# KiCad board Zynq_SoM.kicad_pcb (continued)
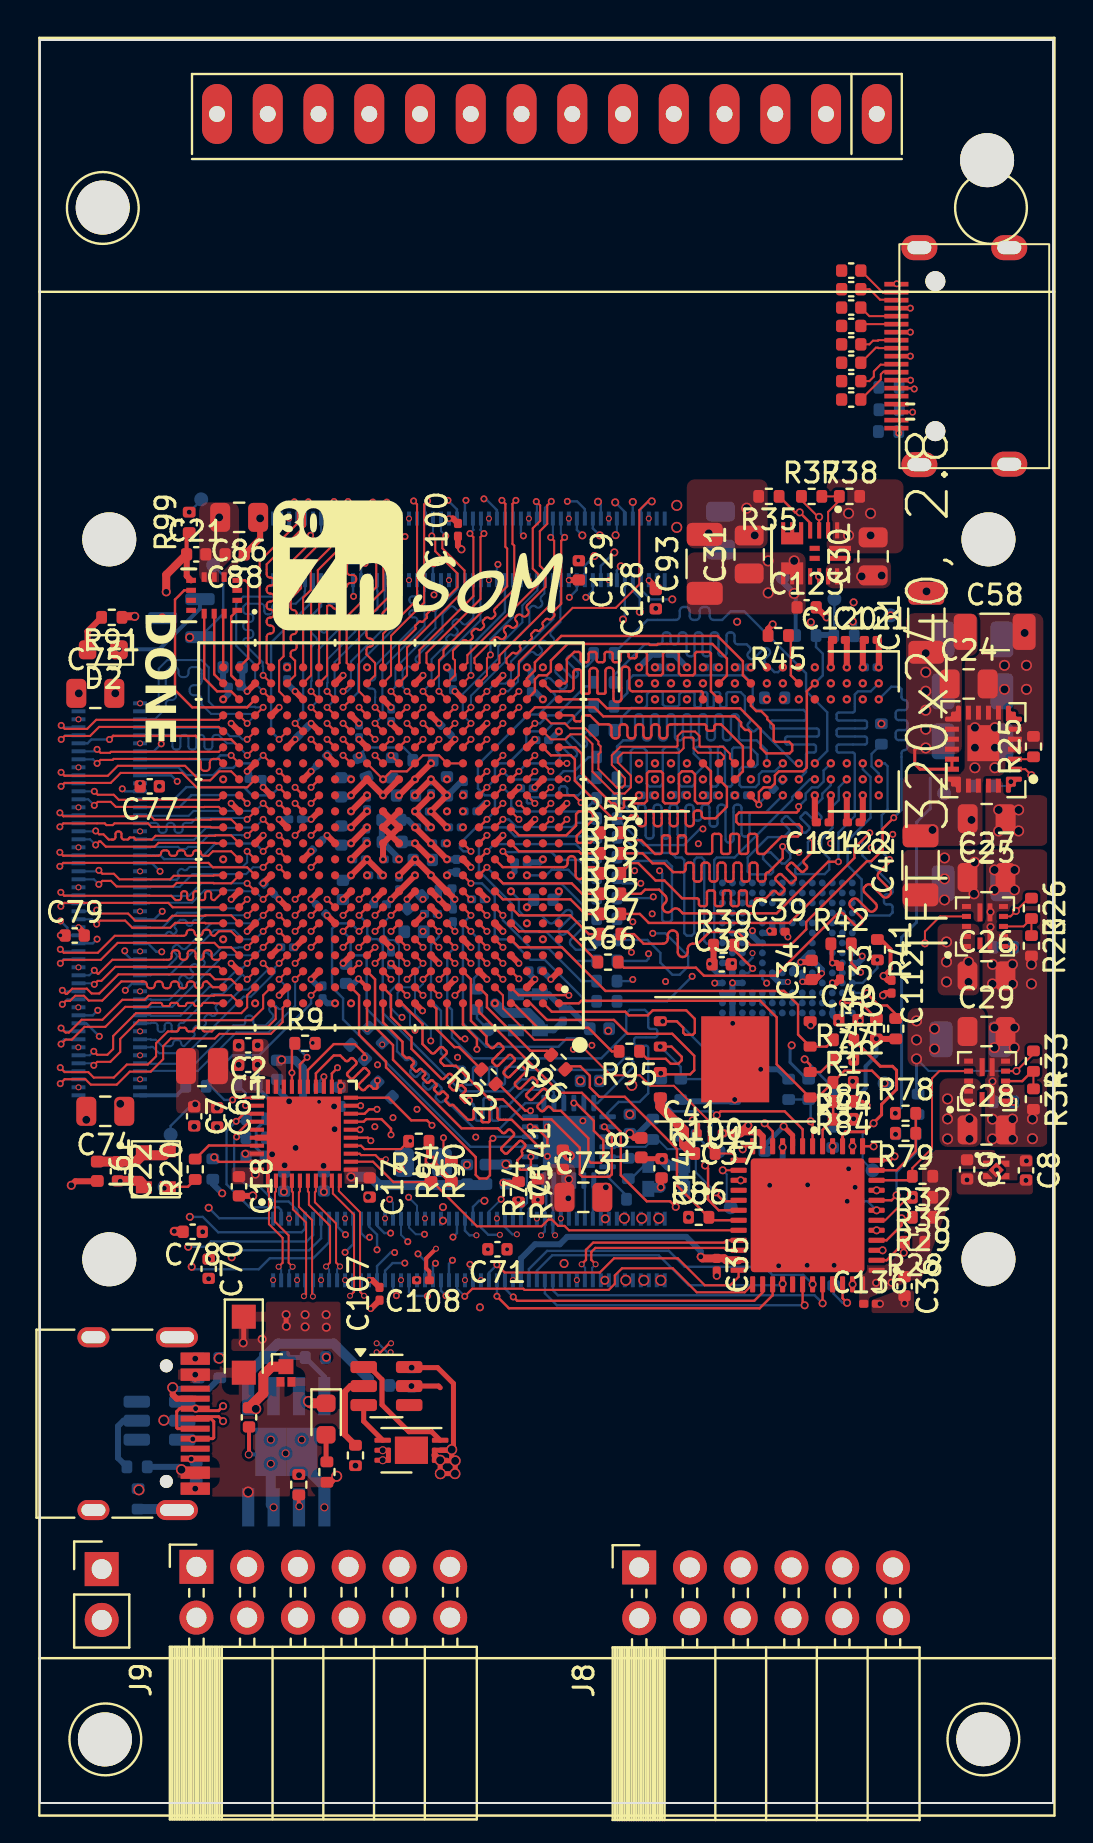
[diagram p0: board, top side]
## Routing (per net, layer and track width the routed paths; a pad name or vN(x,y) marks a point on that pad's centre or on a via; arc(x,y) is an arc through that point) (continued)
  L8 (Sig) w0.12: R48.1 41.62,52.46 41.62,51.84 41.98,51.48 v1(41.98,51.19)
/Zynq_B502_DDR/DDR_~{WE}: length 8.4
  L1 (Sig) w0.12: U2.R4 v1(23.97,51.59)
  L8 (Sig) w0.12: v1(23.97,51.59) 24.37,51.99 25.77,51.99 25.99,52.21 arc(26.04,52.33) 25.99,52.45 25.88,52.56 arc(25.83,52.68) 25.88,52.81 arc(26,52.86) 26.13,52.81 26.59,52.35 arc(26.71,52.3) 26.84,52.35 arc(26.89,52.47) 26.84,52.6 26.38,53.06 arc(26.32,53.18) 26.38,53.3 arc(26.5,53.35) 26.62,53.3 27.08,52.84 arc(27.21,52.79) 27.33,52.84 arc(27.38,52.97) 27.33,53.09 27.22,53.2 arc(27.17,53.32) 27.22,53.44 27.42,53.64 R71.1
/Zynq_B502_DDR/DDR_~{WE}_T: length 18.4
  L8 (Sig) w0.12: v1(37.98,51.99) 37.77,51.99 36.05,53.7 arc(35.97,53.74) 35.88,53.7 35.8,53.62 arc(35.71,53.59) 35.62,53.62 35.44,53.8 arc(35.41,53.89) 35.44,53.98 35.52,54.06 arc(35.56,54.15) 35.52,54.23 35.28,54.48 35.28,55.34 35.07,55.55 34.44,55.55 arc(34.38,55.53) 34.36,55.47 34.36,54.88 arc(34.34,54.82) 34.28,54.8 34.12,54.8 arc(34.06,54.82) 34.04,54.88 34.04,55.47 arc(34.02,55.53) 33.96,55.55 33.8,55.55 arc(33.74,55.53) 33.72,55.47 33.72,54.88 arc(33.7,54.82) 33.64,54.8 33.48,54.8 arc(33.42,54.82) 33.4,54.88 33.4,55.47 arc(33.38,55.53) 33.32,55.55 33.16,55.55 arc(33.1,55.53) 33.08,55.47 33.08,54.88 arc(33.06,54.82) 33,54.8 32.84,54.8 arc(32.78,54.82) 32.76,54.88 32.76,55.47 arc(32.74,55.53) 32.68,55.55 32.1,55.55 31.99,55.44 31.99,54.91 31.91,54.83 31.28,54.83 31.17,54.94 31.17,55.53 31.11,55.59 30.52,55.59 30.38,55.45 30.38,54.87 30.26,54.76 29.6,54.76 29.1,54.26 29.1,54.01 R71.2
eMMC_CLK: length 37.9
  L1 (Sig) w0.12: v1(18.37,41.99) U2.D11
  L4 (Sig+Pwr) w0.135: v2(35.66,42.5) 35.66,42.37 34.83,41.54 33.4,41.54 33.33,41.47 33.33,39.94 33.1,39.71 32,39.71 31.71,40 31.71,40.14 arc(31.76,40.27) 31.89,40.32 32.54,40.32 arc(32.67,40.37) 32.72,40.5 32.72,40.59 arc(32.67,40.72) 32.54,40.77 31.89,40.77 arc(31.76,40.82) 31.71,40.95 31.71,41.04 arc(31.76,41.17) 31.89,41.22 31.99,41.22 arc(32.12,41.27) 32.17,41.4 32.17,41.49 arc(32.12,41.62) 31.99,41.67 31.89,41.67 arc(31.76,41.72) 31.71,41.85 31.71,42.08 31.64,42.15 30.98,42.15 30.88,42.05 29.66,42.05 29.58,41.97 29.58,41.71 29.7,41.59 30.74,41.59 30.89,41.44 30.89,41.1 arc(30.85,41.01) 30.76,40.97 30.31,40.97 arc(30.22,40.94) 30.18,40.85 30.18,40.6 arc(30.22,40.51) 30.31,40.47 30.76,40.47 arc(30.85,40.44) 30.89,40.35 30.89,40.1 30.78,39.99 29.62,39.99 29.17,40.44 arc(29.04,40.49) 28.91,40.44 28.67,40.2 arc(28.55,40.15) 28.42,40.2 28.35,40.27 arc(28.3,40.39) 28.35,40.52 29.09,41.25 arc(29.14,41.38) 29.09,41.51 29.02,41.57 arc(28.9,41.62) 28.77,41.57 28.04,40.84 arc(27.91,40.79) 27.78,40.84 27.72,40.9 arc(27.67,41.03) 27.72,41.16 28.45,41.89 arc(28.5,42.02) 28.45,42.14 28.39,42.21 arc(28.26,42.26) 28.13,42.21 27.89,41.97 arc(27.77,41.92) 27.64,41.97 27.43,42.18 24.45,42.18 23.44,43.19 19.82,43.19 19.57,42.94 19.57,42.59 19.36,42.38 18.76,42.38 v1(18.37,41.99)
  L8 (Sig) w0.12: v2(35.66,42.5) 35.66,42.27 35.4,42.01 U7.M6
eMMC_CMD: length 39.5
  L1 (Sig) w0.12: v1(35.67,41.73) 34.73,42.67 R39.2 ; U2.B10 v1(19.17,40.39)
  L4 (Sig+Pwr) w0.135: v1(19.17,40.39) 19.57,40.79 19.57,41.39 19.77,41.59 20.13,41.59 20.37,41.83 20.37,42.14 20.59,42.37 23.34,42.37 23.57,42.14 23.57,41.84 23.81,41.6 26.11,41.6 30.24,37.46 30.24,36.41 30.62,36.04 32.27,36.04 33.42,37.19 35.09,37.19 35.27,37.36 35.27,38.14 35.07,38.34 34.24,38.34 33.84,37.94 33.84,37.92 31.87,37.92 31.51,38.28 30.43,38.28 30.09,38.61 30.09,39.19 30.47,39.57 31.36,39.57 32.11,38.81 33.39,38.81 33.95,39.37 33.95,40 34.39,40.44 35.54,40.44 35.67,40.57 v1(35.67,41.73)
  L8 (Sig) w0.12: v1(35.67,41.73) 35.45,41.51 U7.M5
eMMC_D0: length 37.1
  L1 (Sig) w0.12: U2.D12 v1(16.77,41.99) ; R40.2 42.83,39.45 42.4,39.88 41.99,39.88 v4(41.38,40.49)
  L4 (Sig+Pwr) w0.135: v4(41.38,40.49) 41.38,40.5 40.16,41.72 40.16,42.67 39.75,43.08 arc(39.69,43.22) 39.75,43.36 39.87,43.48 arc(39.93,43.62) 39.87,43.77 39.8,43.84 arc(39.65,43.89) 39.51,43.84 39.39,43.72 arc(39.25,43.66) 39.11,43.72 39.04,43.79 arc(38.98,43.93) 39.04,44.07 39.16,44.19 arc(39.22,44.33) 39.16,44.47 39.09,44.54 arc(38.95,44.6) 38.81,44.54 38.69,44.42 arc(38.55,44.37) 38.4,44.42 38.23,44.6 31.55,44.6 30.86,43.91 30.3,43.91 29.94,43.55 29.4,43.55 28.56,44.39 27.62,44.39 arc(27.48,44.33) 27.42,44.19 27.42,43.99 arc(27.36,43.85) 27.22,43.79 27.12,43.79 arc(26.98,43.85) 26.92,43.99 26.92,44.19 arc(26.86,44.33) 26.72,44.39 26.62,44.39 arc(26.48,44.33) 26.42,44.19 26.42,43.99 arc(26.36,43.85) 26.22,43.79 26.12,43.79 arc(25.98,43.85) 25.92,43.99 25.92,44.19 arc(25.86,44.33) 25.72,44.39 25.62,44.39 arc(25.48,44.33) 25.42,44.19 25.42,43.99 arc(25.36,43.85) 25.22,43.79 25.12,43.79 arc(24.98,43.85) 24.92,43.99 24.92,44.19 arc(24.86,44.33) 24.72,44.39 24.03,44.39 23.63,44.79 19.04,44.79 18.73,44.48 18.73,44.18 17.73,43.18 17.38,43.18 17.17,42.97 U2.D12 v1(16.77,41.99)
  L8 (Sig) w0.12: v4(41.38,40.49) 41.36,40.51 U7.A3
eMMC_D1: length 34.9
  L1 (Sig) w0.12: v1(15.97,41.99) U2.C14
  L4 (Sig+Pwr) w0.135: v1(15.97,41.99) 16.37,42.39 16.37,44.59 16.56,44.79 17.77,44.79 17.96,44.98 17.96,45.35 18.57,45.97 20.75,45.97 21.15,46.37 21.91,46.37 22.31,45.96 29.33,45.96 29.72,45.58 30.31,45.58 30.93,46.2 39.28,46.2 41.77,43.71 41.77,42.3 v1(41.91,42.16)
  L8 (Sig) w0.12: v1(41.91,42.16) 41.91,41.75 41.17,41.01 U7.A4
eMMC_D2: length 37.9
  L1 (Sig) w0.12: R42.2 40.6,42 v1(41.07,41.54) ; v1(16.77,42.79) U2.D13
  L4 (Sig+Pwr) w0.135: v1(16.77,42.79) 16.77,43.04 17.18,43.45 17.18,43.85 17.3,43.97 17.72,43.97 18.76,45 18.76,45.37 18.98,45.59 22.92,45.59 23.35,45.16 29.14,45.16 29.42,44.89 31.14,44.89 31.74,45.49 31.8,45.49 arc(31.89,45.53) 31.92,45.61 31.92,45.65 arc(31.96,45.74) 32.05,45.78 32.3,45.78 arc(32.39,45.74) 32.42,45.65 32.42,45.32 arc(32.46,45.24) 32.55,45.2 32.8,45.2 arc(32.89,45.24) 32.92,45.32 32.92,45.65 arc(32.96,45.74) 33.05,45.78 33.3,45.78 arc(33.39,45.74) 33.42,45.65 33.42,45.32 arc(33.46,45.24) 33.55,45.2 33.8,45.2 arc(33.89,45.24) 33.92,45.32 33.92,45.65 arc(33.96,45.74) 34.05,45.78 34.3,45.78 arc(34.39,45.74) 34.42,45.65 34.42,45.32 arc(34.46,45.24) 34.55,45.2 34.8,45.2 arc(34.89,45.24) 34.92,45.32 34.92,45.65 arc(34.96,45.74) 35.05,45.78 35.3,45.78 arc(35.39,45.74) 35.42,45.65 35.42,45.32 arc(35.46,45.24) 35.55,45.2 35.8,45.2 arc(35.89,45.24) 35.92,45.32 35.92,45.65 arc(35.96,45.74) 36.05,45.78 36.3,45.78 arc(36.39,45.74) 36.42,45.65 36.42,45.32 arc(36.46,45.24) 36.55,45.2 36.8,45.2 arc(36.89,45.24) 36.92,45.32 36.92,45.65 arc(36.96,45.74) 37.05,45.78 37.3,45.78 arc(37.39,45.74) 37.42,45.65 37.42,45.32 arc(37.46,45.24) 37.55,45.2 37.8,45.2 arc(37.89,45.24) 37.92,45.32 37.92,45.65 arc(37.96,45.74) 38.05,45.78 38.3,45.78 arc(38.39,45.74) 38.42,45.65 38.42,45.61 arc(38.46,45.53) 38.55,45.49 38.97,45.49 40.72,43.74 40.72,42.06 41.07,41.71 v1(41.07,41.54)
  L8 (Sig) w0.12: U7.A5 41.04,41.51 v1(41.07,41.54)
eMMC_D3: length 41.5
  L1 (Sig) w0.12: R43.2 41.08,40.01 v1(40.15,40.01) ; U2.C10 v1(18.37,41.19)
  L4 (Sig+Pwr) w0.135: v1(18.37,41.19) 17.97,41.59 17.97,42.92 18.23,43.18 19.33,43.18 19.57,43.41 19.57,43.81 19.74,43.99 23.6,43.99 24.8,42.79 26.65,42.79 arc(26.79,42.85) 26.85,42.99 26.85,43.06 arc(26.91,43.2) 27.05,43.26 27.15,43.26 arc(27.29,43.2) 27.35,43.06 27.35,42.99 arc(27.41,42.85) 27.55,42.79 27.65,42.79 arc(27.79,42.85) 27.85,42.99 27.85,43.41 arc(27.91,43.55) 28.05,43.61 28.15,43.61 arc(28.29,43.55) 28.35,43.41 28.35,42.99 arc(28.41,42.85) 28.55,42.79 28.67,42.79 28.82,42.94 31.02,42.94 32.17,44.09 32.3,44.09 arc(32.45,44.03) 32.51,43.88 32.51,42.7 arc(32.57,42.55) 32.72,42.49 32.82,42.49 arc(32.97,42.55) 33.03,42.7 33.03,43.88 arc(33.09,44.03) 33.24,44.09 33.34,44.09 arc(33.49,44.03) 33.55,43.88 33.55,42.7 arc(33.61,42.55) 33.76,42.49 33.86,42.49 arc(34.01,42.55) 34.07,42.7 34.07,43.88 arc(34.13,44.03) 34.28,44.09 34.38,44.09 arc(34.53,44.03) 34.59,43.88 34.59,42.7 arc(34.65,42.55) 34.8,42.49 34.9,42.49 arc(35.05,42.55) 35.11,42.7 35.11,43.88 arc(35.17,44.03) 35.32,44.09 37.68,44.09 38.97,42.8 38.97,42.18 39.66,41.49 39.78,41.49 40.15,41.11 v1(40.15,40.01)
eMMC_~{RST}: length 10.1
  L1 (Sig) w0.12: U9.16 v4(39.67,32.84)
  L4 (Sig+Pwr) w0.12: v1(36.37,41) 36.37,37.36 39.67,34.06 v4(39.67,32.84)
  L8 (Sig) w0.12: U7.K5 36.15,41.21 v1(36.37,41)
ETH_LED0: length 1.8
  L1 (Sig) w0.12: U3.32 10.3,34.87 v1(10.29,34.88)
  L8 (Sig) w0.12: R18.2 10.29,35.51 v1(10.29,34.88) 10.28,34.89
ETH_LED1: length 8.8
  L1 (Sig) w0.12: U3.33 10.2,34.47 v1(9.82,34.09)
  L8 (Sig) w0.12: 12.07,29.23 12.07,29.65 11.93,29.79 10.49,29.79 9.34,30.94 9.34,33.61 v1(9.82,34.09) 10.21,34.09 R17.1
ETH_LED2: length 8.1
  L1 (Sig) w0.12: U3.34 10.47,34.07 9.84,33.44 v1(9.84,33.31)
  L8 (Sig) w0.12: 12.87,29.23 12.87,29.65 12.44,30.08 11.73,30.08 10.93,30.88 10.35,30.88 9.72,31.51 9.72,33.19 v1(9.84,33.31) 10.26,33.31 R19.2
ETH_PHY_INT: length 10.8
  L1 (Sig) w0.1: U2.B16 v1(13.57,40.39)
  L1 (Sig) w0.12: U3.31 9.75,35.27 v1(9.64,35.16)
  L8 (Sig) w0.12: v1(13.57,40.39) 13.57,39.98 10.97,37.39 9.64,37.39 8.32,36.06 9.22,35.16 v1(9.64,35.16)
ETH_PHY_MDC: length 14.9
  L1 (Sig) w0.11: U3.13 16,32.47 16.07,32.4 16.79,32.4 17,32.19 v2(17.31,32.19)
  L1 (Sig) w0.12: U2.D10 v1(19.17,41.99)
  L4 (Sig+Pwr) w0.1: v1(18.77,38.64) 18.57,38.44 18.57,35.09 18.44,34.96 18.44,33.94 18.97,33.41 18.97,32.89 18.46,32.38 17.5,32.38 v2(17.31,32.19)
  L8 (Sig) w0.1: v1(18.77,38.64) 18.52,38.89 18.52,39.47 17.89,40.09 17.89,40.51 18.17,40.79 18.54,40.79 18.77,41.01 18.77,41.59 v1(19.17,41.99)
ETH_PHY_MDI0_N: length 5.4
  L1 (Sig) w0.1: v2(12.64,26.81) 12.44,27.01 12.44,28.39 11.76,29.07 11.76,30.54 11.81,30.59 U3.2
  L8 (Sig) w0.1: v2(12.64,26.81) 12.47,26.64 12.47,26.15
ETH_PHY_MDI0_P: length 5.4
  L1 (Sig) w0.1: U3.1 11.41,30.59 11.46,30.54 11.46,28.95 12.14,28.26 12.14,27.01 v2(11.94,26.81)
  L8 (Sig) w0.1: 12.07,26.15 12.07,26.69 v2(11.94,26.81)
ETH_PHY_MDI1_N: length 6.9
  L1 (Sig) w0.1: U3.5 13.01,30.59 12.96,30.54 12.96,29.81 13.62,29.15 13.62,25.37 v2(13.66,25.33)
  L8 (Sig) w0.1: v2(13.66,25.33) 13.67,25.34 13.67,26.15
ETH_PHY_MDI1_P: length 7
  L1 (Sig) w0.1: U3.4 12.61,30.59 12.66,30.54 12.66,29.69 13.32,29.03 13.32,25.44 13.31,25.44 v2(13.21,25.34)
  L8 (Sig) w0.1: 13.27,26.15 13.27,25.4 v2(13.21,25.34)
ETH_PHY_MDI2_N: length 5.6
  L1 (Sig) w0.1: U3.7 13.81,30.59 13.76,30.54 13.76,30.04 14.82,28.98 14.82,27.03 v2(15.02,26.83)
  L8 (Sig) w0.1: 14.87,26.15 14.87,26.68 v2(15.02,26.83)
ETH_PHY_MDI2_P: length 5.6
  L1 (Sig) w0.1: v2(14.32,26.83) 14.52,27.03 14.52,28.86 13.46,29.92 13.46,30.54 13.41,30.59 U3.6
  L8 (Sig) w0.1: 14.47,26.15 14.47,26.68 v2(14.32,26.83)
ETH_PHY_MDI3_N: length 7.1
  L1 (Sig) w0.1: U3.10 15.01,30.87 14.96,30.82 14.96,30.6 16.02,29.54 16.02,25.56 v2(16.22,25.36)
  L8 (Sig) w0.1: v2(16.22,25.36) 16.07,25.51 16.07,26.15
ETH_PHY_MDI3_P: length 7.1
  L1 (Sig) w0.1: v2(15.52,25.36) 15.72,25.56 15.72,29.42 14.66,30.48 14.66,30.82 14.61,30.87 U3.9
  L8 (Sig) w0.1: v2(15.52,25.36) 15.67,25.51 15.67,26.15
ETH_PHY_MDIO: length 12.2
  L1 (Sig) w0.11: R14.2 18.06,32.7 16.24,32.7 16.07,32.87 U3.14
  L1 (Sig) w0.12: U2.C12 v1(17.57,41.19)
  L4 (Sig+Pwr) w0.1: v1(17.57,41.19) 17.57,38.79 18.07,38.29 18.07,33.54 18.5,33.11 v1(18.53,33.11)
ETH_PHY_RST: length 21.1
  L1 (Sig) w0.11: U3.12 16.67,32.07 17.69,31.05 19.66,31.05 21.87,28.84 25.11,28.84 25.44,29.18 25.62,29.18 25.94,28.86 26.26,28.86 26.47,28.64 U9.32
ETH_PHY_RXC: length 7.3
  L1 (Sig) w0.12: U3.27 v1(12.61,36.51) 12.61,37.84 R9.1
  L6 (Sig+Pwr) w0.135: v1(12.61,36.51) 12.77,36.67 12.77,37.73 14.48,39.44 15.02,39.44 v1(15.57,39.99)
ETH_PHY_RXCTL: length 19
  L1 (Sig) w0.12: U3.26 13.01,36.93 v1(13.37,37.29) ; U2.D7 v1(21.57,41.99)
  L6 (Sig+Pwr) w0.135: v1(21.57,41.99) U2.D7 21.17,42.91 20.92,43.16 20.6,43.16 20.34,43.42 20.34,43.74 20.09,43.99 16.57,43.99 16.36,43.78 16.36,40.92 16.27,40.83 15.63,40.83 15.54,40.74 15.54,40.54 15.69,40.39 16.27,40.39 16.36,40.3 16.36,40.16 13.49,37.29 v1(13.37,37.29)
  L8 (Sig) w0.12: v1(13.37,37.29) 12.74,37.92 R10.1
ETH_PHY_RXD0: length 12.4
  L1 (Sig) w0.12: v1(16.24,37.27) 16.24,37.47 15.76,37.95 14.7,37.95 13.41,36.65 U3.25 ; v1(18.37,42.79) U2.E11
  L6 (Sig+Pwr) w0.135: v1(18.37,42.79) 18.77,42.39 18.77,39.31 17.77,38.31 17.77,37.91 17.39,37.53 16.5,37.53 v1(16.24,37.27)
ETH_PHY_RXD1: length 15.4
  L1 (Sig) w0.12: v1(16.89,36.13) 16.89,35.78 16.83,35.72 16.69,35.72 16.56,35.85 arc(16.49,35.87) 16.42,35.85 16.25,35.67 arc(16.17,35.64) 16.1,35.67 15.96,35.81 arc(15.93,35.88) 15.96,35.95 16.46,36.45 arc(16.49,36.52) 16.46,36.59 16.31,36.73 arc(16.24,36.76) 16.17,36.73 15.68,36.23 arc(15.61,36.21) 15.54,36.23 15.4,36.38 arc(15.37,36.45) 15.4,36.52 15.82,36.94 arc(15.85,37.01) 15.82,37.08 15.68,37.22 arc(15.61,37.25) 15.54,37.22 15.43,37.12 arc(15.36,37.09) 15.29,37.12 15.03,37.38 14.7,37.38 13.81,36.49 U3.24 ; U2.B7 v1(20.77,40.39)
  L6 (Sig+Pwr) w0.135: v1(16.89,36.13) 17,36.02 18.1,36.02 19.97,37.89 19.97,39.59 v1(20.77,40.39)
ETH_PHY_RXD2: length 13.9
  L1 (Sig) w0.12: 17.16,43.99 U2.F12 v1(16.77,43.59) ; v1(14.21,36.32) U3.23
  L6 (Sig+Pwr) w0.135: 16.78,43.61 17.17,43.22 17.17,41.13 arc(17.14,41.05) 17.06,41.02 16.88,41.02 arc(16.8,40.98) 16.77,40.9 16.77,40.68 arc(16.8,40.6) 16.88,40.57 17.46,40.57 arc(17.54,40.53) 17.57,40.45 17.57,40.23 arc(17.54,40.15) 17.46,40.12 17.28,40.12 arc(17.2,40.08) 17.17,40 17.17,39.71 16.62,39.16 16.01,39.16 13.45,36.6 13.45,35.98 13.62,35.81 13.93,35.81 14.07,35.95 14.07,36.18 v1(14.21,36.32)
  L8 (Sig) w0.12: v1(14.21,36.32) 13.99,36.1 R8.1
ETH_PHY_RXD3: length 8.4
  L1 (Sig) w0.12: v2(16.37,38.71) U2.A13 ; v1(14.89,36.77) 14.89,36.76 14.61,36.48 U3.22
  L6 (Sig+Pwr) w0.135: v1(14.89,36.77) 14.6,36.48 14.6,35.58 14.77,35.41 15.33,35.41 15.51,35.59 15.51,36.63 15.3,36.84 15.3,37.76 16.25,38.71 v2(16.37,38.71)
ETH_PHY_TXC: length 16.1
  L1 (Sig) w0.12: U3.20 17.45,35.27 18.58,34.14 19.37,34.14 v1(19.62,33.89)
  L1 (Sig) w0.135: v1(22.37,41.99) U2.D6
  L6 (Sig+Pwr) w0.135: v1(22.37,41.99) 21.77,41.39 21.77,38.84 22.67,37.94 22.67,35.32 21.51,34.16 19.89,34.16 v1(19.62,33.89)
ETH_PHY_TXCTL: length 10.9
  L1 (Sig) w0.12: U2.F11 v1(17.57,43.59) 17.57,43.56 ; v1(16.05,34.87) U3.19
  L6 (Sig+Pwr) w0.135: v1(16.05,34.87) 15.95,34.97 15.95,36.83 15.87,36.91 15.87,37.57 17.97,39.67 17.97,43.16 17.57,43.56
ETH_PHY_TXD0: length 14.9
  L1 (Sig) w0.12: U2.E9 v1(19.97,42.79) ; v1(16.87,34.69) 16.47,34.69 16.24,34.46 15.56,34.46 U3.18
  L6 (Sig+Pwr) w0.135: v1(16.87,34.69) 17.54,35.36 18.25,35.36 19.09,36.2 arc(19.18,36.24) 19.27,36.2 19.51,35.96 arc(19.59,35.93) 19.68,35.96 19.86,36.14 arc(19.9,36.23) 19.86,36.32 19.62,36.56 arc(19.59,36.64) 19.62,36.73 19.8,36.91 arc(19.89,36.95) 19.98,36.91 20.21,36.67 arc(20.3,36.64) 20.39,36.67 20.57,36.85 arc(20.6,36.94) 20.57,37.03 20.33,37.26 arc(20.29,37.35) 20.33,37.44 20.64,37.75 20.64,39.21 21.17,39.74 21.17,41.39 20.97,41.59 20.58,41.59 20.37,41.8 20.37,42.39 v1(19.97,42.79)
ETH_PHY_TXD1: length 12.1
  L1 (Sig) w0.12: U3.17 16.2,34.07 16.33,34.2 17.09,34.2 17.57,33.72 v1(17.57,33.41) ; U2.A7 21.17,38.91 21.87,38.21 v1(21.87,37.69)
  L6 (Sig+Pwr) w0.135: v1(21.87,37.69) 21.87,36.19 20.47,34.79 19.55,34.79 18.17,33.41 v1(17.57,33.41)
ETH_PHY_TXD2: length 13.4
  L1 (Sig) w0.12: U2.E10 18.77,43.19 19.18,42.78 ; v1(16.02,33.67) U3.16
  L6 (Sig+Pwr) w0.135: v1(16.02,33.67) 16.43,34.08 16.43,36.32 16.63,36.53 17.34,36.53 17.76,36.95 arc(17.86,36.99) 17.96,36.95 arc(18.06,36.91) 18.16,36.95 18.28,37.06 arc(18.32,37.17) 18.28,37.27 18.08,37.47 arc(18.03,37.57) 18.08,37.68 18.19,37.79 arc(18.29,37.83) 18.39,37.79 18.6,37.59 arc(18.7,37.54) 18.8,37.59 18.93,37.71 arc(18.97,37.81) 18.93,37.91 arc(18.88,38.01) 18.93,38.12 19.27,38.46 19.27,39.09 19.57,39.39 19.57,42.39 19.18,42.78
  vias: v1(19.17,42.79)
ETH_PHY_TXD3: length 11.5
  L1 (Sig) w0.12: v1(21.27,38.21) 21.05,38.21 20.37,38.89 U2.A8 ; U3.15 16.41,33.27 v1(16.56,33.12)
  L6 (Sig+Pwr) w0.135: v1(21.27,38.21) 21.27,37.64 21.47,37.44 21.47,36.89 20.01,35.43 19.03,35.43 18.09,34.49 18.09,34.09 17.85,33.85 17.35,33.85 16.62,33.12 v1(16.56,33.12)
IO_0_35: length 36.4
  L1 (Sig) w0.12: v1(12.77,45.19) U2.H17
  L4 (Sig+Pwr) w0.135: v1(12.77,45.19) 12.4,44.82 9.67,44.82 6.63,41.78 4.6,41.78 3.49,40.67 3.49,30.11 6.79,26.81 v4(7.59,26.81)
  L8 (Sig) w0.12: 14.47,29.23 14.47,28.04 13.67,27.24 11.5,27.24 10.95,26.69 7.72,26.69 v4(7.59,26.81)
IO_25_13: length 13
  L1 (Sig) w0.12: U2.U7 v1(21.57,53.19)
  L4 (Sig+Pwr) w0.12: v1(21.57,53.19) 21.52,53.24
  L4 (Sig+Pwr) w0.135: v1(26.49,60.29) 26.44,60.34 23.32,60.34 21.17,58.19 21.17,53.59 21.52,53.24
  L8 (Sig) w0.12: v1(26.49,60.29) 26.87,60.66 J2.23
IO_25_33: length 9.1
  L1 (Sig) w0.12: U2.U14 v1(15.17,53.19)
  L6 (Sig+Pwr) w0.135: v1(15.69,60.34) 14.77,59.41 14.77,53.59 v1(15.17,53.19)
  L8 (Sig) w0.12: v1(15.69,60.34) 15.67,60.36 J2.79
IO_L1_N_13: length 11.7
  L1 (Sig) w0.12: U2.V9 v1(19.17,53.99)
  L6 (Sig+Pwr) w0.135: v1(19.17,53.99) 19.57,54.39 19.57,57.66 23.9,61.99 v1(24.19,61.99)
  L8 (Sig) w0.12: J2.37 24.07,61.86 v1(24.19,61.99)
IO_L1_N_33: length 8.4
  L1 (Sig) w0.12: v1(3.48,53.18) 3.66,53.36 7.79,53.36 7.97,53.19 9.57,53.19 U2.U21
  L8 (Sig) w0.12: v1(3.48,53.18) 2.57,53.18 2.38,52.99 J3.89
IO_L1_N_35: length 25.5
  L1 (Sig) w0.12: U2.E16 v1(13.57,42.79)
  L4 (Sig+Pwr) w0.135: v1(13.57,42.79) 13.2,42.42 11.75,42.42 11.57,42.24 11.57,41.69 9.92,40.04 9.24,40.04 6.22,37.01 6.22,32.2 7.5,30.92 v4(7.5,29.31)
  L8 (Sig) w0.12: 13.27,29.23 13.27,28.71 13.09,28.54 8.92,28.54 8.15,29.31 v4(7.5,29.31)
IO_L1_P_33: length 5.2
  L1 (Sig) w0.1: U2.T21 v1(9.57,52.39)
  L8 (Sig) w0.12: J3.86 8.83,52.19 9.03,52.39 v1(9.57,52.39)
IO_L1_P_35: length 26
  L1 (Sig) w0.12: U2.F16 v1(13.57,43.59)
  L6 (Sig+Pwr) w0.135: v1(13.57,43.59) 13.17,43.19 13.17,42.59 12.97,42.39 12.52,42.39 12.37,42.24 12.37,41.04 12.12,40.79 11.77,40.79 11.24,40.26 11.24,39.89 9.04,37.69 9.04,35.24 9.29,34.99 9.29,33.21 9.61,32.9 10.71,32.9 10.98,32.63 10.98,32.14 11.93,31.19 12.62,31.19 13.72,30.09 15.79,30.09 16.14,29.74 17.57,29.74 17.74,29.56 17.74,28.69 v1(17.55,28.5)
  L8 (Sig) w0.12: 16.87,29.23 16.87,28.87 17.24,28.5 v1(17.55,28.5)
IO_L1P_13: length 10
  L1 (Sig) w0.12: U2.V10 v1(18.37,53.99)
  L6 (Sig+Pwr) w0.135: v1(18.37,53.99) 17.97,54.39 17.37,54.39 17.17,54.59 17.17,55.96 17.34,56.14 17.34,58.39 19.37,60.41 v1(19.72,60.41)
  L8 (Sig) w0.12: v1(19.72,60.41) 20.07,60.76 J2.57
IO_L2_N_13: length 14.8
  L1 (Sig) w0.12: U2.W8 v1(20.77,54.79)
  L6 (Sig+Pwr) w0.135: v4(28.81,63.4) 28.8,63.4 28.19,62.79 28.19,62.06 26.82,60.69 24.37,60.69 21.17,57.49 21.17,55.19 v1(20.77,54.79)
  L8 (Sig) w0.1: J2.14 28.87,63.46 v4(28.81,63.4)
IO_L2_N_33: length 7.5
  L1 (Sig) w0.104: U2.U22 8.95,52.57 3.55,52.57 3.5,52.52 3.03,52.52 v1(2.86,52.69)
  L8 (Sig) w0.104: J3.87 2.76,52.59 v1(2.86,52.69)
IO_L2_N_35: length 20.3
  L1 (Sig) w0.12: U2.D17 v1(12.77,41.99)
  L4 (Sig+Pwr) w0.135: v4(8.44,29.76) 8.44,31.25 7.07,32.63 7.07,36.81 9.54,39.29 11.47,39.29 12.37,40.19 12.37,41.59 v1(12.77,41.99)
  L8 (Sig) w0.12: 11.66,29.24 8.97,29.24 v4(8.44,29.76)
IO_L2_P_13: length 15.4
  L1 (Sig) w0.12: U2.V8 v1(20.77,53.99)
  L6 (Sig+Pwr) w0.135: v1(20.77,53.99) 20.36,54.39 20.36,56.02 20.77,56.42 20.77,57.98 25.57,62.79 27.42,62.79 v4(28.02,63.39)
  L8 (Sig) w0.12: J2.20 27.67,63.74 v4(28.02,63.39)
IO_L2_P_33: length 8.4
  L1 (Sig) w0.104: v1(2.86,51.99) 3.03,52.16 3.64,52.16 3.69,52.21 7.87,52.21 arc(8,52.16) 8.05,52.03 8.05,51.79 arc(8.1,51.66) 8.23,51.61 8.32,51.61 arc(8.45,51.66) 8.5,51.79 8.5,52.03 arc(8.55,52.16) 8.68,52.21 8.95,52.21 U2.T22
  L8 (Sig) w0.104: v1(2.86,51.99) 2.66,52.19 J3.85
IO_L3_DQS_N_33: length 9.4
  L1 (Sig) w0.104: U2.W22 8.95,54.17 2.82,54.17 2.36,53.71 1.24,53.71 v1(1.06,53.89)
  L8 (Sig) w0.104: v1(1.06,53.89) 1.16,53.79 J3.93
IO_L3_DQS_P_33: length 9.4
  L1 (Sig) w0.104: v1(1.06,53.19) 1.24,53.36 2.51,53.36 2.96,53.81 8.95,53.81 U2.V22
  L8 (Sig) w0.104: v1(1.06,53.19) 1.27,53.39 J3.91
IO_L3_N_13: length 10.6
  L1 (Sig) w0.12: U2.W10 v1(19.17,54.79)
  L6 (Sig+Pwr) w0.135: v1(19.17,54.79) 18.77,55.19 18.77,57.84 21.87,60.94 21.87,61.26 22.54,61.94 v1(22.92,61.94)
  L8 (Sig) w0.12: J2.43 22.87,61.89 v1(22.92,61.94)
IO_L3_P_13: length 17.9
  L1 (Sig) w0.12: U2.W11 v1(18.37,54.79)
  L6 (Sig+Pwr) w0.135: v1(18.37,54.79) 17.97,55.19 17.97,58.04 22.47,62.54 24.22,62.54 25.53,63.85 26.98,63.85 27.93,64.8 v4(27.93,65.07)
  L8 (Sig) w0.12: J2.18 28.07,64.93 v4(27.93,65.07)
IO_L3P_PUDC_34: length 14.1
  L1 (Sig) w0.12: U2.K16 v1(13.57,46.79)
  L4 (Sig+Pwr) w0.135: v1(13.57,46.79) 13.17,47.19 10.46,47.19 7.16,43.89 3.55,43.89 v1(2.86,43.2)
  L8 (Sig) w0.12: J3.39 2.65,42.99 v1(2.86,43.2)
IO_L4_N_13: length 9.5
  L1 (Sig) w0.104: U2.W12 v1(16.77,54.79)
  L8 (Sig) w0.104: v1(16.77,54.79) 16.77,55.26 16.78,55.28 16.78,55.57 arc(16.74,55.68) 16.62,55.73 16.52,55.73 arc(16.41,55.78) 16.36,55.89 16.36,55.97 arc(16.41,56.08) 16.52,56.13 16.62,56.13 arc(16.74,56.18) 16.78,56.29 16.78,56.88 18.89,58.99 18.89,59.15 arc(18.85,59.25) 18.75,59.29 18.63,59.29 arc(18.53,59.33) 18.49,59.43 18.49,59.5 arc(18.53,59.6) 18.63,59.64 18.75,59.64 arc(18.85,59.68) 18.89,59.78 18.89,59.85 arc(18.85,59.95) 18.75,59.99 18.63,59.99 arc(18.53,60.03) 18.49,60.13 18.49,60.2 arc(18.53,60.3) 18.63,60.34 18.75,60.34 arc(18.85,60.38) 18.89,60.48 18.89,60.6 18.87,60.62 J2.63
IO_L4_N_33: length 13.1
  L1 (Sig) w0.104: v1(10.37,53.99) U2.W21
  L8 (Sig) w0.104: v1(10.37,53.99) 10.64,54.26 10.64,54.37 10.55,54.46 10.26,54.46 10.27,54.46 8.57,54.46 8.09,54.94 8.09,55.19 arc(8.03,55.34) 7.89,55.39 7.69,55.39 arc(7.55,55.45) 7.49,55.59 7.49,55.69 arc(7.55,55.84) 7.69,55.89 7.89,55.89 arc(8.03,55.95) 8.09,56.09 8.09,56.65 7.94,56.8 7.63,56.8 arc(7.49,56.74) 7.43,56.6 7.43,56.5 arc(7.37,56.36) 7.23,56.3 7.13,56.3 arc(6.99,56.36) 6.93,56.5 6.93,56.6 arc(6.87,56.74) 6.73,56.8 6.52,56.8 6.3,56.58 6.3,55.86 arc(6.35,55.72) 6.5,55.66 6.61,55.66 arc(6.75,55.6) 6.81,55.46 6.81,55.36 arc(6.75,55.22) 6.61,55.16 6.5,55.16 arc(6.35,55.1) 6.3,54.96 6.3,54.74 5.77,54.21 5.56,54.21 5.53,54.19 J3.96
IO_L4_N_34: length 15.4
  L1 (Sig) w0.12: U2.M17 v1(12.77,48.39)
  L4 (Sig+Pwr) w0.135: v1(1.03,44.11) 2.23,45.31 6.62,45.31 9.29,47.99 12.37,47.99 v1(12.77,48.39)
  L8 (Sig) w0.12: J3.41 1.48,43.39 1.37,43.5 1.37,43.77 v1(1.03,44.11)
IO_L4_N_35: length 27.1
  L1 (Sig) w0.12: U2.G16 v1(13.57,44.39)
  L6 (Sig+Pwr) w0.135: v1(15.29,28.42) 15.28,28.43 11.83,28.43 7.14,33.11 7.14,38.51 10.22,41.59 10.54,41.59 10.77,41.82 10.77,43.81 10.95,43.99 13.17,43.99 v1(13.57,44.39)
  L8 (Sig) w0.12: v1(15.29,28.42) 14.87,28.84 14.87,29.23
IO_L4_P_13: length 8.8
  L1 (Sig) w0.104: U2.V12 v1(16.77,53.99)
  L8 (Sig) w0.104: v1(16.77,53.99) 17.15,54.37 17.15,55.26 17.14,55.28 17.14,56.74 19.25,58.85 19.25,60.6 19.27,60.62 J2.61
IO_L4_P_33: length 10.9
  L1 (Sig) w0.104: U2.W20 v1(11.17,54.79)
  L8 (Sig) w0.104: v1(11.17,54.79) 10.79,54.79 10.76,54.82 10.26,54.82 10.27,54.82 8.71,54.82 8.45,55.08 8.45,56.79 8.08,57.16 6.38,57.16 5.94,56.72 5.94,54.88 5.63,54.57 5.56,54.57 5.53,54.59 J3.98
IO_L4_P_35: length 34.6
  L1 (Sig) w0.12: U2.G15 v1(14.37,45.19)
  L6 (Sig+Pwr) w0.135: v1(14.37,45.19) 13.97,45.59 9.45,45.59 8.07,44.21 8.07,41.69 5.49,39.11 5.49,32.43 7.83,30.1 7.83,29.73 10.32,27.24 14.97,27.24 v1(15.27,27.54)
  L8 (Sig) w0.12: 15.67,29.23 15.67,27.94 v1(15.27,27.54)
IO_L5_N_13: length 18.6
  L1 (Sig) w0.12: U2.U11 v1(18.37,53.19)
  L4 (Sig+Pwr) w0.135: v4(27.14,63.39) 26.79,63.74 25.22,63.74 24.39,62.91 22.32,62.91 21.12,61.71 20.5,61.71 18.77,59.98 18.77,53.59 v1(18.37,53.19)
  L8 (Sig) w0.12: v4(27.14,63.39) 26.87,63.66 J2.24
IO_L5_N_33: length 6.2
  L1 (Sig) w0.104: U2.V20 v1(10.37,53.19)
  L8 (Sig) w0.104: J3.94 5.53,53.79 5.56,53.77 9.08,53.77 9.5,53.35 9.98,53.35 10.13,53.19 v1(10.37,53.19)
IO_L5_N_34: length 14.1
  L1 (Sig) w0.12: U2.N18 v1(11.97,49.99)
  L6 (Sig+Pwr) w0.135: v1(4.24,42.61) 4.27,42.64 4.27,44.66 5.57,45.96 5.57,46.91 8.24,49.59 11.57,49.59 v1(11.97,49.99)
  L8 (Sig) w0.12: J3.36 4.56,42.19 4.24,42.5 v1(4.24,42.61)
IO_L5_N_35: length 28.6
  L1 (Sig) w0.12: U2.E18 v1(11.97,43.59)
  L4 (Sig+Pwr) w0.135: v1(11.97,43.59) 11.57,43.19 10.92,43.19 10.77,43.04 10.77,42.54 10.62,42.39 10.12,42.39 9.94,42.21 9.94,41.56 9.14,40.77 8.71,40.77 5.39,37.45 5.39,30.61 8.14,27.86 9.02,27.86 v4(9.59,27.29)
  L8 (Sig) w0.12: 14.07,29.23 14.07,28.24 13.47,27.64 9.94,27.64 v4(9.59,27.29)
IO_L5_P_33: length 9.9
  L1 (Sig) w0.104: U2.U20 v1(10.37,52.39)
  L8 (Sig) w0.104: J3.92 5.53,53.39 5.56,53.41 6.47,53.41 arc(6.58,53.37) 6.63,53.25 6.63,52.84 arc(6.67,52.72) 6.79,52.68 6.87,52.68 arc(6.98,52.72) 7.03,52.84 7.03,53.25 arc(7.07,53.37) 7.19,53.41 7.27,53.41 arc(7.38,53.37) 7.43,53.25 7.43,52.84 arc(7.47,52.72) 7.59,52.68 7.67,52.68 arc(7.78,52.72) 7.83,52.84 7.83,53.25 arc(7.87,53.37) 7.99,53.41 8.07,53.41 arc(8.18,53.37) 8.23,53.25 8.23,52.84 arc(8.27,52.72) 8.39,52.68 8.47,52.68 arc(8.58,52.72) 8.63,52.84 8.63,53.25 arc(8.67,53.37) 8.79,53.41 8.94,53.41 9.36,52.99 9.77,52.99 v1(10.37,52.39)
IO_L5_P_34: length 10.4
  L1 (Sig) w0.12: U2.N17 v1(12.77,49.99)
  L6 (Sig+Pwr) w0.135: v1(6.01,46.59) 6.37,46.59 8.57,48.79 12.42,48.79 12.77,49.14 v1(12.77,49.99)
  L8 (Sig) w0.12: J3.60 5.61,46.99 v1(6.01,46.59)
